# Altium PCB IMX6 DEV BOARD.PcbDoc (part 1 of 12) (continued)
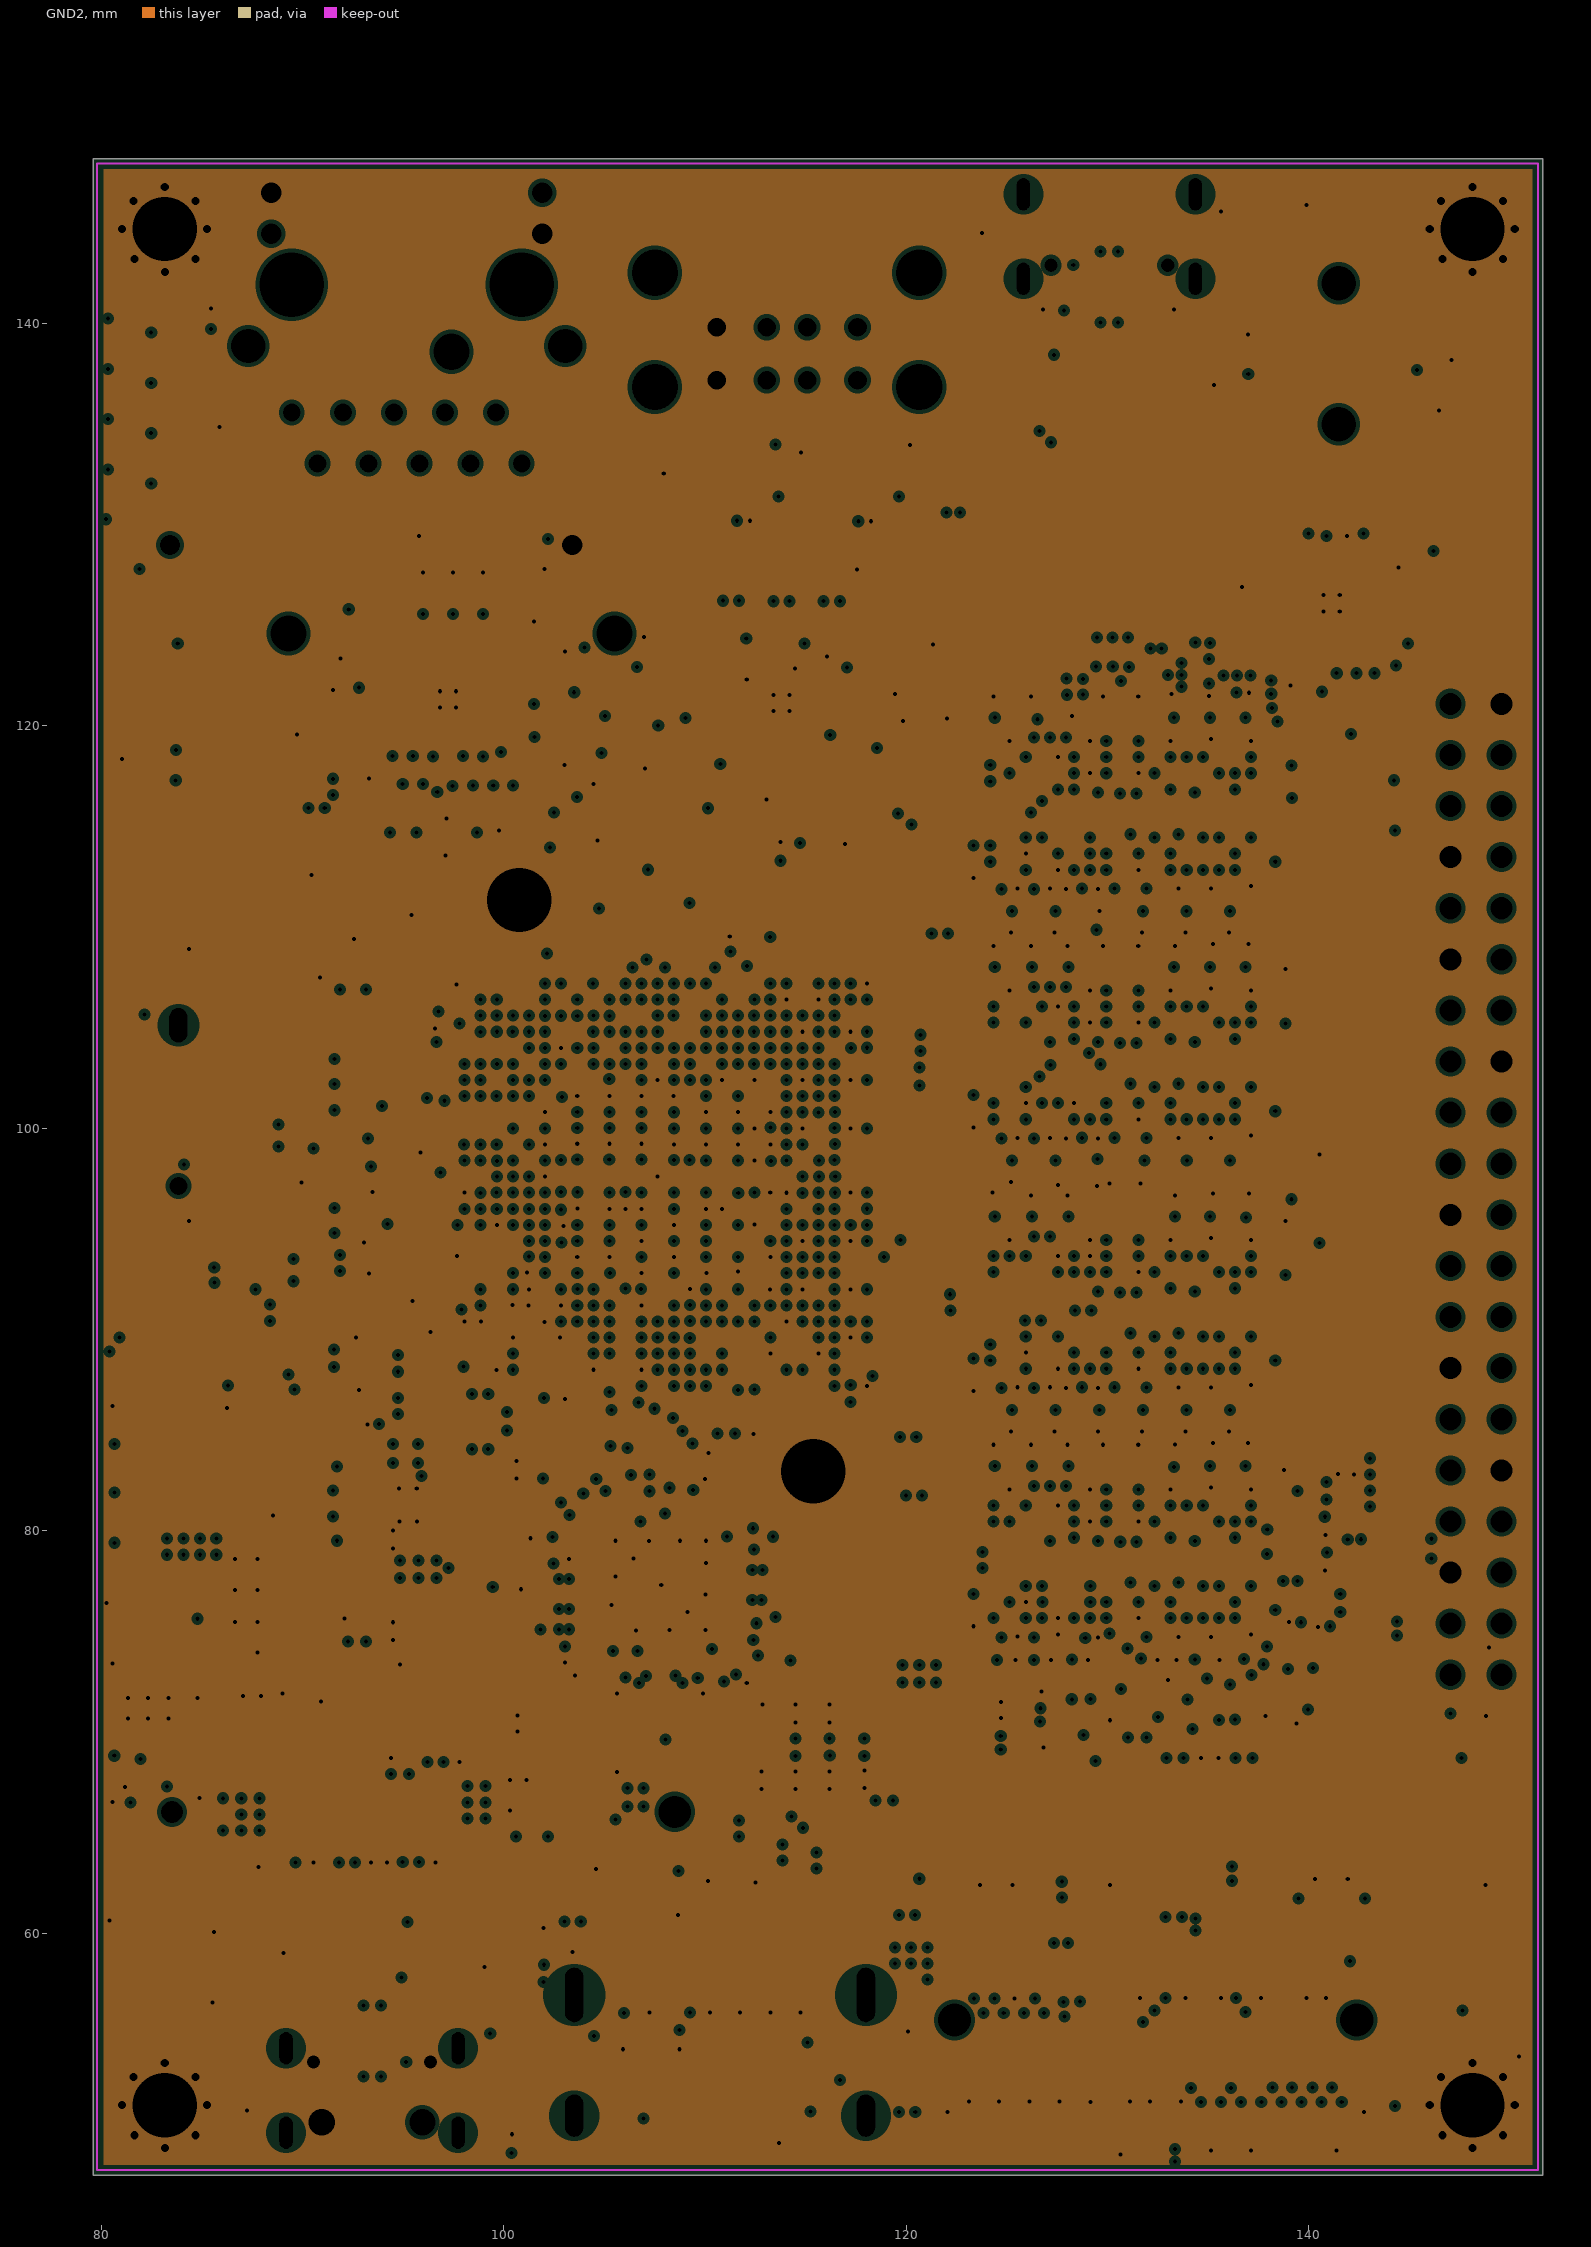
[diagram p7: GND2, clearances drawn from the general rule]

## Layer stack, top to bottom
Top Solder: solder mask 0.0102, Solder Resist, Dk 3.5
Top Layer: signal copper 0.018
Dielectric 2: prepreg 0.12, IS400, Dk 4.2
GND 1: plane copper 0.0175, net GND
Dielectric 6: core 0.2, IS400, Dk 4.2
Inner 2: signal copper 0.018
Dielectric 8: prepreg 0.12, IS400, Dk 4.2
Dielectric 4: prepreg 0.12, IS400, Dk 4.2
PWR 1: signal copper 0.018
Dielectric 1: core 0.2, IS400, Dk 3.9
PWR 2: signal copper 0.018
Dielectric 5: prepreg 0.12, IS400, Dk 4.2
Dielectric 9: prepreg 0.12, IS400, Dk 4.2
Inner 5: signal copper 0.018
Dielectric 7: core 0.2, IS400, Dk 4.2
GND2: plane copper 0.0175, net GND
Dielectric 3: prepreg 0.12, IS400, Dk 4.2
Bottom Layer: signal copper 0.018
Bottom Solder: solder mask 0.0102, Solder Resist, Dk 3.5

## Board outline
79.6,148.2 151.65,148.2 151.65,47.969 79.6,47.969

## Design rules (kind name [scope] priority, off if disabled: settings)
Clearance "High speed" [IsTrack and not(InDifferentialPairClass('DIFF100')) And not InDifferentialPairClass('DIFF90') and (Width <= 0.3) vs IsTrack and (Width <= 0.3)] p1: gap=0.15 ignorepadtopadclearanceinfootprint=FALSE except(0: Arc-Hole Track-Hole SMDPad-Hole THPad-Hole Via-Hole Fill-Hole Poly-Hole Region-Hole Text-Hole)
Clearance [All] p2: gap=0.1 ignorepadtopadclearanceinfootprint=FALSE except(0.15: Arc-Hole Track-Hole SMDPad-Hole THPad-Hole Via-Hole Fill-Hole Poly-Hole Region-Hole Text-Hole)
DiffPairsRouting DIFF100_imp [InDifferentialPairClass('DIFF100')] p1: maxlimit=0.2 minlimit=0.11 mostfreqgap=0.15 toplayer_maxgap=0.11 toplayer_prefgap=0.11 toplayer_minwidth=0.13 toplayer_maxwidth=0.13 toplayer_prefwidth=0.13 midlayer1_mingap=0.2 midlayer1_prefgap=0.2 midlayer1_minwidth=0.11 midlayer1_maxwidth=0.11 midlayer1_prefwidth=0.11 midlayer2_mingap=0.15 midlayer2_maxgap=0.15 midlayer2_minwidth=0.13 midlayer2_maxwidth=0.13 midlayer2_prefwidth=0.13 midlayer3_mingap=0.15 midlayer3_maxgap=0.15 midlayer3_minwidth=0.13 midlayer3_maxwidth=0.13 midlayer3_prefwidth=0.13 midlayer4_mingap=0.2 midlayer4_prefgap=0.2 midlayer4_minwidth=0.11 midlayer4_maxwidth=0.11 midlayer4_prefwidth=0.11 bottomlayer_maxgap=0.11 bottomlayer_prefgap=0.11 bottomlayer_minwidth=0.13 bottomlayer_maxwidth=0.13 bottomlayer_prefwidth=0.13 impedanceprofiledriven=TRUE impedanceprofileid={BF94E9E3-B38E-4308-BB9D-B7DF8960B4E6} impedanceprofilevalue=100.000000 maxuncoupledlength=12.7
DiffPairsRouting DIFF90_imp [InDifferentialPairClass('DIFF90')] p2: maxlimit=0.125 minlimit=0.11 mostfreqgap=0.125 toplayer_maxgap=0.11 toplayer_prefgap=0.11 toplayer_minwidth=0.145 toplayer_maxwidth=0.145 toplayer_prefwidth=0.145 midlayer1_mingap=0.125 midlayer1_minwidth=0.14 midlayer1_maxwidth=0.14 midlayer1_prefwidth=0.14 midlayer2_mingap=0.125 midlayer2_minwidth=0.14 midlayer2_maxwidth=0.14 midlayer2_prefwidth=0.14 midlayer3_mingap=0.125 midlayer3_minwidth=0.14 midlayer3_maxwidth=0.14 midlayer3_prefwidth=0.14 midlayer4_mingap=0.125 midlayer4_minwidth=0.14 midlayer4_maxwidth=0.14 midlayer4_prefwidth=0.14 bottomlayer_maxgap=0.11 bottomlayer_prefgap=0.11 bottomlayer_minwidth=0.145 bottomlayer_maxwidth=0.145 bottomlayer_prefwidth=0.145 impedanceprofiledriven=TRUE impedanceprofileid={1C92E7CA-59A1-473A-AE9D-2C4C3E981A97} impedanceprofilevalue=90.000000 maxuncoupledlength=13
Height [All] p1: minheight=0 maxheight=100 prefheight=12.7
HoleSize [All] p1: absolutevalues=TRUE maxlimit=12 minlimit=0.15 maxpercent=80.000 minpercent=20.000
MatchedLengths "RGMII TxD" [InNetClass('RGMII_TxD')] p1: tolerance=0.2 checknetsindiffpair=FALSE checkdiffpairvsdiffpair=TRUE checkxsignals=TRUE checkothers=TRUE
MatchedLengths CdE_SD3 [InNetClass('CdE_SD3')] p2: tolerance=0.254 checknetsindiffpair=FALSE checkdiffpairvsdiffpair=TRUE checkxsignals=TRUE checkothers=TRUE
MatchedLengths DIFF90 [InDifferentialPairClass('DIFF90')] p3: tolerance=0.2 checknetsindiffpair=TRUE checkdiffpairvsdiffpair=FALSE checkxsignals=FALSE checkothers=FALSE
MatchedLengths HDMI [InDifferentialPair('HDMI_CLK') And InDifferentialPair('HDMI_D0')And InDifferentialPair('HDMI_D1')And InDifferentialPair('HDMI_D2')] p4: tolerance=0.254 checknetsindiffpair=FALSE checkdiffpairvsdiffpair=TRUE checkxsignals=TRUE checkothers=TRUE
MatchedLengths PCIe [InDifferentialPair('PCIe_RX_C') And InDifferentialPair('PCIe_TX_C')] p5: tolerance=0.254 checknetsindiffpair=FALSE checkdiffpairvsdiffpair=TRUE checkxsignals=TRUE checkothers=TRUE
MatchedLengths SD2 [InNetClass('SD2')] p6: tolerance=0.254 checknetsindiffpair=FALSE checkdiffpairvsdiffpair=TRUE checkxsignals=TRUE checkothers=TRUE
MatchedLengths "RGMII RxD" [InNetClass('RGMII_RxD')] p7: tolerance=0.254 checknetsindiffpair=FALSE checkdiffpairvsdiffpair=TRUE checkxsignals=TRUE checkothers=TRUE
MatchedLengths "DRAM Bank 7" [InNetClass('DRAM_BANK7')] p8: tolerance=25.4 checknetsindiffpair=FALSE checkdiffpairvsdiffpair=TRUE checkxsignals=TRUE checkothers=TRUE
MatchedLengths "DRAM Bank 6" [InNetClass('DRAM_BANK6')] p9: tolerance=25.4 checknetsindiffpair=FALSE checkdiffpairvsdiffpair=TRUE checkxsignals=TRUE checkothers=TRUE
MatchedLengths "DRAM Bank 5" [InNetClass('DRAM_BANK5')] p10: tolerance=25.4 checknetsindiffpair=FALSE checkdiffpairvsdiffpair=TRUE checkxsignals=TRUE checkothers=TRUE
MatchedLengths "DRAM Bank 4" [InNetClass('DRAM_BANK4')] p11: tolerance=25.4 checknetsindiffpair=FALSE checkdiffpairvsdiffpair=TRUE checkxsignals=TRUE checkothers=TRUE
MatchedLengths "DRAM Bank 3" [InNetClass('DRAM_BANK3')] p12: tolerance=25.4 checknetsindiffpair=FALSE checkdiffpairvsdiffpair=TRUE checkxsignals=TRUE checkothers=TRUE
MatchedLengths "DRAM Bank 2" [InNetClass('DRAM_BANK2')] p13: tolerance=25.4 checknetsindiffpair=FALSE checkdiffpairvsdiffpair=TRUE checkxsignals=TRUE checkothers=TRUE
MatchedLengths "DRAM Bank 1" [InNetClass('DRAM_BANK1')] p14: tolerance=25.4 checknetsindiffpair=FALSE checkdiffpairvsdiffpair=TRUE checkxsignals=TRUE checkothers=TRUE
MatchedLengths DIFF100 [InNetClass('DIFF100')] p15: tolerance=0.254 checknetsindiffpair=TRUE checkdiffpairvsdiffpair=FALSE checkxsignals=FALSE checkothers=FALSE
MatchedLengths "DRAM ADDR CTRL" [InNetClass('DRAM_ADDR_CTRL')] p16: tolerance=0.254 checknetsindiffpair=FALSE checkdiffpairvsdiffpair=TRUE checkxsignals=TRUE checkothers=TRUE
MatchedLengths "DRAM Bank 0" [InNetClass('DRAM_BANK0')] p17: tolerance=0.254 checknetsindiffpair=FALSE checkdiffpairvsdiffpair=TRUE checkxsignals=TRUE checkothers=TRUE
MinimumAnnularRing [All] p1: minimumring=0.125
MinimumSolderMaskSliver [All] p1: minsoldermaskwidth=0.01
PlaneClearance "Global clearance" [All] p1: clearance=0.2
PlaneConnect GND [InNet('GND')] p1: planeconnectstyle=Direct reliefexpansion=0.508 reliefentries=4 reliefconductorwidth=0.254 reliefairgap=0.254
PolygonConnect "Global connect" [All] p1: connectstyle=Direct reliefconductorwidth=0.254 reliefentries=4 polygonreliefangle="90 Angle" airgapwidth=0.254
PolygonConnect DDR_CLK_termination [All vs IsNamedPolygon('DRAM_CLK0_CAP_L01_P020')] p2: connectstyle=Direct reliefconductorwidth=0.254 reliefentries=4 polygonreliefangle="90 Angle" airgapwidth=0.254
PolygonConnect +0.75V_VTT [InNet('+0V75_DDR_VTT')] p3: connectstyle=Direct reliefconductorwidth=0.254 reliefentries=4 polygonreliefangle="90 Angle" airgapwidth=0.254
RoutingVias [All] p1: holewidth=0.2 width=0.45 viastyle="Through Hole" minholewidth=0.1 minwidth=0.45 maxholewidth=6 maxwidth=6
SignalStimulus [All] p1: kind=2 level=0 starttime=10,00 stoptime=200,0 periodtime=20,00
SignalTopValue [All] p1: minimum=1,000
SilkToSilkClearance [All] p1: silktosilkclearance=0.01
SilkToSolderMaskClearance [IsPad] p1: minsilkscreentomaskgap=0.01 clearancetoexposedcopper=TRUE
SolderMaskExpansion [All] p1: expansion=0.08 istentingtop=FALSE
SupplyNets [InNet('+0V75_DDR_VTT')] p1: voltage=750,0
UnRoutedNet [All] p1: checkbadconnections=TRUE
Width I2S4_width [InNetClass('I2S4')] p1: maxlimit=0.125 minlimit=0.11 preferedwidth=0.125 toplayer_minwidth=0.125 midlayer1_maxwidth=0.11 midlayer1_prefwidth=0.11 midlayer2_minwidth=0.125 midlayer3_minwidth=0.125 midlayer4_maxwidth=0.11 midlayer4_prefwidth=0.11 bottomlayer_minwidth=0.125 impedanceprofiledriven=TRUE impedanceprofileid={523E02A2-B5A5-4C40-8CB7-62FE05C4EA57} impedanceprofilevalue=50.000000 minimp=50.000000 maximp=50.000000 favimp=50.000000
Width RGMII_width [InNetClass('RGMII_RxD') Or InNetClass('RGMII_TxD') Or InNetClass('RGMII_MISC')] p2: maxlimit=0.125 minlimit=0.11 preferedwidth=0.125 toplayer_minwidth=0.125 midlayer1_maxwidth=0.11 midlayer1_prefwidth=0.11 midlayer2_minwidth=0.125 midlayer3_minwidth=0.125 midlayer4_maxwidth=0.11 midlayer4_prefwidth=0.11 bottomlayer_minwidth=0.125 impedanceprofiledriven=TRUE impedanceprofileid={523E02A2-B5A5-4C40-8CB7-62FE05C4EA57} impedanceprofilevalue=50.000000 minimp=50.000000 maximp=50.000000 favimp=50.000000
Width SD2_width [InNetClass('SD2')] p3: maxlimit=0.125 minlimit=0.11 preferedwidth=0.125 toplayer_minwidth=0.125 midlayer1_maxwidth=0.11 midlayer1_prefwidth=0.11 midlayer2_minwidth=0.125 midlayer3_minwidth=0.125 midlayer4_maxwidth=0.11 midlayer4_prefwidth=0.11 bottomlayer_minwidth=0.125 impedanceprofiledriven=TRUE impedanceprofileid={523E02A2-B5A5-4C40-8CB7-62FE05C4EA57} impedanceprofilevalue=50.000000 minimp=50.000000 maximp=50.000000 favimp=50.000000
Width CdE_SD3_Width [InNetClass('CdE_SD3')] p4: maxlimit=0.125 minlimit=0.11 preferedwidth=0.125 toplayer_minwidth=0.125 midlayer1_maxwidth=0.11 midlayer1_prefwidth=0.11 midlayer2_minwidth=0.125 midlayer3_minwidth=0.125 midlayer4_maxwidth=0.11 midlayer4_prefwidth=0.11 bottomlayer_minwidth=0.125 impedanceprofiledriven=TRUE impedanceprofileid={523E02A2-B5A5-4C40-8CB7-62FE05C4EA57} impedanceprofilevalue=50.000000 minimp=50.000000 maximp=50.000000 favimp=50.000000
Width "DRAM stripline 50Ohm" [InNetClass('DRAM_ADDR_CTRL') Or InNetClass('DRAM_BANK0') Or InNetClass('DRAM_BANK1') Or InNetClass('DRAM_BANK2') Or InNetClass('DRAM_BANK3') Or InNetClass('DRAM_BANK4') Or InNetClass('DRAM_BANK5') Or InNetClass('DRAM_BANK6') Or InNetClass('DRAM_BANK7')] p5: maxlimit=0.125 minlimit=0.11 preferedwidth=0.125 toplayer_minwidth=0.125 midlayer1_maxwidth=0.11 midlayer1_prefwidth=0.11 midlayer2_minwidth=0.125 midlayer3_minwidth=0.125 midlayer4_maxwidth=0.11 midlayer4_prefwidth=0.11 bottomlayer_minwidth=0.125 impedanceprofiledriven=TRUE impedanceprofileid={523E02A2-B5A5-4C40-8CB7-62FE05C4EA57} impedanceprofilevalue=50.000000 minimp=50.000000 maximp=50.000000 favimp=50.000000
Width "Global Width" [All] p6: maxlimit=10 minlimit=0.11 preferedwidth=0.125
21 further rules are at their usual default settings.

## Classes and differential pairs
component class imx6_unused_pin: TB22 U1
component class cover_page: TB1
net class BOOT_SEL: BOOT_MODE0 BOOT_MODE1 TAMPER TEST_MODE
net class BOOT_CFG: BOOT_CFG1_0 BOOT_CFG1_1 BOOT_CFG1_2 BOOT_CFG1_3 BOOT_CFG1_4 BOOT_CFG1_5 BOOT_CFG1_6 BOOT_CFG1_7 BOOT_CFG2_0 BOOT_CFG2_1 BOOT_CFG2_2 BOOT_CFG2_3 BOOT_CFG2_4 BOOT_CFG2_5 BOOT_CFG2_6 BOOT_CFG2_7 BOOT_CFG3_0 BOOT_CFG3_1 BOOT_CFG3_2 BOOT_CFG3_3 BOOT_CFG3_4 BOOT_CFG3_5 BOOT_CFG3_6 BOOT_CFG3_7 BOOT_CFG4_0 BOOT_CFG4_1 BOOT_CFG4_2 BOOT_CFG4_3 BOOT_CFG4_4 BOOT_CFG4_5 BOOT_CFG4_6 BOOT_CFG4_7
net class JTAG: JTAG_MOD JTAG_nTRST JTAG_TCK JTAG_TDI JTAG_TDO JTAG_TMS
differential pair class DIFF100: CdE_CAN DRAM_CLK0 DRAM_CLK1 DRAM_DQS0 DRAM_DQS1 DRAM_DQS2 DRAM_DQS3 DRAM_DQS4 DRAM_DQS5 DRAM_DQS6 DRAM_DQS7 HDMI_CLK HDMI_D0 HDMI_D1 HDMI_D2 PCIe_REFCLK PCIe_REFCLK_C SATA_A SATA_A_C SATA_B SATA_B_C TD_A TD_B TD_C TD_D
net class "USR INTER": Button0 Button1 Button2 LED_USER_0 LED_USER_1 LED_USER_2 LED_USER_3 LED_USER_4
net class RGMII_TxD: RGMII_TD0 RGMII_TD1 RGMII_TD2 RGMII_TD3 RGMII_TX_CTL RGMII_TXC
net class RGMII_MISC: ENET_MDC ENET_MDIO ENET_REF_CLK LED0 LED1 LED2 RGMII_INT
net class CdE_UART4: CdE_UART_RxD CdE_UART_TxD
net class CdE_SPI1: CdE_SPI_CS0 CdE_SPI_CS1 CdE_SPI_MISO CdE_SPI_MOSI CdE_SPI_SCLK
net class CdE_I2C2: CdE_I2C_SCL CdE_I2C_SDA
net class CdE_GPIO: CdE_GPIO_1 CdE_GPIO_2 CdE_GPIO_3 CdE_GPIO_4 CdE_GPIO_5 CdE_GPIO_6 CdE_GPIO_7 CdE_GPIO_8 CdE_GPIO_9 CdE_GPIO_10 CdE_ONOFF
net class CdE_CAN2: CdE_CAN_N CdE_CAN_P
net class USB_DEBUG: USB_DEBUG_N USB_DEBUG_P
net class I2S4: AUD_CLK "AUDMUX4_ RxD" "AUDMUX4_ TXC" "AUDMUX4_ TxD" "AUDMUX4_ TXFS"
differential pair class DIFF90: CdE_USB_D PCIe_RX PCIe_RX_C PCIe_TX PCIe_TX_C PCIe_USB_D- USB_CdE USB_DEBUG USB_DEBUG_F USB_HOST_1 USB_HOST_1_FILT USB_HOST_2 USB_HOST_2_FILT USB_HOST_IMX6 USB_OTG_D USB_OTG_D_NF USB_PCIe
net class WDOG: WDOG1_RST WDOG2_RST
net class USB_OTG: USB_OTG_D_N USB_OTG_D_NF_N USB_OTG_D_NF_P USB_OTG_D_P USB_OTG_ID USB_OTG_VBUS
net class USB_HOST: PRT_1_EN PRT_2_EN USB_CdE_N USB_CdE_P USB_HOST_1_FILT_N USB_HOST_1_FILT_P USB_HOST_1_N USB_HOST_1_P USB_HOST_2_FILT_N USB_HOST_2_FILT_P USB_HOST_2_N USB_HOST_2_P USB_HOST_IMX6_N USB_HOST_IMX6_P USB_PCIe_N USB_PCIe_P
net class UIM: PCIe_UIM_CLK PCIe_UIM_DATA PCIe_UIM_PWR PCIe_UIM_RESET PCIe_UIM_VPP
net class UART1: UART1_RxD UART1_TxD
net class SPI4: SPI4_CLK SPI4_CS0 SPI4_MISO SPI4_MOSI
net class SD2: SD2_CD SD2_CLK SD2_CMD SD2_DAS SD2_DAT0 SD2_DAT1 SD2_DAT2 SD2_DAT3 SD2_WP
net class SATA: SATA_A_C_N SATA_A_C_P SATA_A_N SATA_A_P SATA_B_C_N SATA_B_C_P SATA_B_N SATA_B_P SATA_DEVSLP
net class RGMII_RxD: RGMII_RD0 RGMII_RD1 RGMII_RD2 RGMII_RD3 RGMII_RX_CTL RGMII_RXC
net class PMIC_CTRL: INTB ONOFF PMIC_ON_REQUEST PMIC_STBY_REQ POR_B SDWNB
net class mPCIe: PCIe_LED_WLAN# PCIe_LED_WPAN# PCIe_LED_WWAN# PCIe_PERST# PCIe_REFCLK_C_N PCIe_REFCLK_C_P PCIe_REFCLK_N PCIe_REFCLK_P PCIe_RX_C_N PCIe_RX_C_P PCIe_RX_N PCIe_RX_P PCIe_SMB_CLK PCIe_SMB_DATA PCIe_TX_C_N PCIe_TX_C_P PCIe_TX_N PCIe_TX_P PCIe_USB_D-_N PCIe_USB_D-_P PCIe_W_DISABLE# PCIe_WAKE#
net class I2C1: AUDIO_I2C_SCL AUDIO_I2C_SDA EEPROM_I2C_SCL EEPROM_I2C_SDA HDMI_I2C_SCL HDMI_I2C_SDA I2C1_SCL I2C1_SDA PCIe_SMB_CLK PCIe_SMB_DATA SATA_I2C_SCL SATA_I2C_SDA
net class HDMI: +5V_HDMI_FUSE HDMI_CEC HDMI_CEC_IN_BUFF HDMI_CLK_N HDMI_CLK_P HDMI_D0_N HDMI_D0_P HDMI_D1_N HDMI_D1_P HDMI_D2_N HDMI_D2_P HDMI_DDCCEC HDMI_HPD HDMI_HPD_BUFF HDMI_I2C_SCL_BUFF HDMI_I2C_SDA_BUFF HDMI_RESREF
net class GPIO: GPIO_10 GPIO_11 GPIO_14 GPIO_20 GPIO_21 GPIO_23 GPIO_24 GPIO_25 GPIO_26 GPIO_27 GPIO_28 GPIO_I2C0_SCL GPIO_I2C0_SDA GPIO_I2C1_SCL GPIO_I2C1_SDA GPIO_I2S_RxD GPIO_I2S_TXC GPIO_I2S_TxD GPIO_I2S_TXFS GPIO_PWM0 GPIO_PWM1 GPIO_SPI_CLK GPIO_SPI_CS0 GPIO_SPI_CS1 GPIO_SPI_MISO GPIO_SPI_MOSI GPIO_UART_RxD GPIO_UART_TxD
net class Ethernet: TD_A_N TD_A_P TD_B_N TD_B_P TD_C_N TD_C_P TD_D_N TD_D_P
net class CdE_SD3: CdE_SD_CLK CdE_SD_CMD CdE_SD_DATA0 CdE_SD_DATA1 CdE_SD_DATA2 CdE_SD_DATA3 CdE_SD_DATA4 CdE_SD_DATA5 CdE_SD_DATA6 CdE_SD_DATA7 CdE_SD_RST
component class uart_console: D21 D22 R143 R144 R145 R146 TB15 TP11 TP12 U12
component class sd_flash_eeprom: C199 C200 C201 D6 J3 Q1 R98 R99 R100 R101 R102 R103 R104 R105 R106 R107 TB8 U9 U10
component class power_regulator_pmic: BT1 C273 C274 C276 C277 C278 C279 C280 C281 C282 C283 C284 C285 C286 C287 C288 C289 C290 C291 C292 C293 C294 C295 C296 C297 C298 C299 C300 C301 C302 C303 C304 C305 C306 C307 C308 C309 C310 C311 C312 C313 C314 C315 D31 FB17 FB18 FB19 FB20 FB21 FB22 FB23 FB24 FB25 FB26 FB27 L8 L9 L10 L11 L12 R195 R196 R197 R198 R199 R200 R201 R202 R203 R204 R205 R206 R207 R217 TB21 TP13 TP14 TP15 TP16 TP17 TP18 TP19 TP20 TP21 TP22 TP23 TP24 TP25 U2
component class OVERVIEW: TB2
component class JTAG: J6 R122 R123 R124 R125 R126 TB11
component class imx6_ctrl_i2c1: C1 C2 C3 C4 C5 C6 C7 C8 C9 C10 C11 PB1 PB2 R1 R2 R3 R4 R5 R6 R7 R8 R9 R10 R11 R12 R13 R14 R15 R16 R17 R18 R19 R20 R21 R22 R23 R24 R25 R26 TB3 TP1 TP2 TP3 Y1 Y2
component class imx6_boot: R179 R180 R181 R182 R183 R184 R185 R186 R187 R188 R189 R190 R191 R192 R193 R194 R209 R210 R211 R212 R213 R214 R215 R216 RN1 RN2 RN3 RN4 RN5 RN6 RN7 RN8 SW1 SW2 SW3 TB20
component class audio_codec: C209 C210 C211 C212 C213 C214 C215 C216 C217 C218 D14 D15 D16 FB11 FB12 FB13 J7 R127 R128 R129 R130 R131 R132 TB12 TP7 TP8 TP9 U11
component class sata_m2: C232 C233 C234 C235 C236 C237 C238 C239 C240 D20 J10 R141 R142
component class user_interface: C263 C264 C265 C266 D26 D27 D28 D29 D30 PB3 PB4 PB5 R164 R165 R166 R167 R168 R169 R170 R171 R172 R173 R174
component class usb_host_otg: C241 C242 C243 C244 C245 C246 C247 C248 C249 C250 C251 C252 C253 C254 C255 C256 C257 C258 C259 C260 C261 C262 D23 D24 D25 FB14 FB15 FB16 J11 J12 L4 L5 L6 R147 R148 R149 R150 R151 R152 R153 R154 R155 R156 R157 R158 R159 R160 R161 R162 R163 U13 U14 U15 Y4
component class mini_pcie: c C219 C220 C221 C222 C223 C225 C226 C227 C228 C229 C230 C231 D17 D18 D19 J8 J9 L3 R133 R134 R135 R136 R137 R138 R139 R140
component class HDMI: C206 C207 C208 D7 D8 D9 D10 D11 D12 D13 F4 J5 Q2 Q3 Q4 Q5 R110 R111 R112 R113 R114 R115 R116 R117 R118 R119 R120 R121
component class GPIO: C202 C203 C204 C205 F2 F3 J4 R108 R109
component class extension_card: C267 C268 C269 C270 C271 C272 L7 R175 R176 R177 R178
component class Ethernet: C187 C188 C189 C190 C191 C192 C193 C194 C195 C196 C197 C198 D5 J2 R77 R78 R79 R80 R81 R82 R83 R84 R85 R86 R87 R88 R89 R90 R91 R92 R93 R94 R95 R96 R97 R208 U8 Y3
component class imx6_power: C12 C13 C14 C15 C16 C17 C18 C19 C20 C21 C22 C23 C24 C25 C26 C27 C28 C29 C30 C31 C32 C33 C34 C35 C36 C37 C38 C39 C40 C41 C42 C43 C44 C45 C46 C47 C48 C49 C50 C51 C52 C53 C54 C55 C56 C57 C58 C59 C60 C61 C62 C63 C64 C65 C66 C67 C68 C69 C70 C71 C72 C73 C74 C75 C76 C77 C78 C79 C80 C81 C82 C83 C84 C85 C86 C87 C88 C89 C90 C91 C92 C93 C94 C95 C96 C97 C98 C99 C100 C101 C102 C103 C104 D1
component class mechanical_marking: HT1 HT2 M1 M2 M3 M4 MT1 MT2 MT3 MT4
component class power_regulator_aux: C177 C178 C179 C180 C181 C182 C183 C184 C185 C186 D2 D3 D4 F1 FB1 FB2 FB3 FB4 FB5 FB6 FB7 FB8 FB9 FB10 J1 L1 L2 R67 R68 R69 R70 R71 R72 R73 R74 R75 R76 TP4 TP5 TP6 U7
net class DRAM_SDCLK: DRAM_CLK0_N DRAM_CLK0_P DRAM_CLK1_N DRAM_CLK1_P
net class DRAM_BANK7: DRAM_D56 DRAM_D57 DRAM_D58 DRAM_D59 DRAM_D60 DRAM_D61 DRAM_D62 DRAM_D63 DRAM_DQM7 DRAM_DQS7_N DRAM_DQS7_P
net class DRAM_BANK6: DRAM_D48 DRAM_D49 DRAM_D50 DRAM_D51 DRAM_D52 DRAM_D53 DRAM_D54 DRAM_D55 DRAM_DQM6 DRAM_DQS6_N DRAM_DQS6_P
net class DRAM_BANK5: DRAM_D40 DRAM_D41 DRAM_D42 DRAM_D43 DRAM_D44 DRAM_D45 DRAM_D46 DRAM_D47 DRAM_DQM5 DRAM_DQS5_N DRAM_DQS5_P
net class DRAM_BANK4: DRAM_D32 DRAM_D33 DRAM_D34 DRAM_D35 DRAM_D36 DRAM_D37 DRAM_D38 DRAM_D39 DRAM_DQM4 DRAM_DQS4_N DRAM_DQS4_P
net class DRAM_BANK3: DRAM_D24 DRAM_D25 DRAM_D26 DRAM_D27 DRAM_D28 DRAM_D29 DRAM_D30 DRAM_D31 DRAM_DQM3 DRAM_DQS3_N DRAM_DQS3_P
net class DRAM_BANK2: DRAM_D16 DRAM_D17 DRAM_D18 DRAM_D19 DRAM_D20 DRAM_D21 DRAM_D22 DRAM_D23 DRAM_DQM2 DRAM_DQS2_N DRAM_DQS2_P
net class DRAM_BANK1: DRAM_D8 DRAM_D9 DRAM_D10 DRAM_D11 DRAM_D12 DRAM_D13 DRAM_D14 DRAM_D15 DRAM_DQM1 DRAM_DQS1_N DRAM_DQS1_P
net class DRAM_BANK0: DRAM_D0 DRAM_D1 DRAM_D2 DRAM_D3 DRAM_D4 DRAM_D5 DRAM_D6 DRAM_D7 DRAM_DQM0 DRAM_DQS0_N DRAM_DQS0_P
net class DRAM_ADDR_CTRL: DRAM_A0 DRAM_A1 DRAM_A2 DRAM_A3 DRAM_A4 DRAM_A5 DRAM_A6 DRAM_A7 DRAM_A8 DRAM_A9 DRAM_A10 DRAM_A11 DRAM_A12 DRAM_A13 DRAM_A14 DRAM_A15 DRAM_CAS_B DRAM_CS0_B DRAM_RAS_B DRAM_RESET_B DRAM_SDBA0 DRAM_SDBA1 DRAM_SDBA2 DRAM_SDCKE0 DRAM_SDODT0 DRAM_WE_B
component class DRAM: C105 C106 C107 C108 C109 C110 C111 C112 C113 C114 C115 C116 C117 C118 C119 C120 C121 C122 C123 C124 C125 C126 C127 C128 C129 C130 C131 C132 C133 C134 C135 C136 C137 C138 C139 C140 C141 C142 C143 C144 C145 C146 C147 C148 C149 C150 C151 C152 C153 C154 C155 C156 C157 C158 C159 C160 C161 C162 C163 C164 C165 C166 C167 C168 C169 C170 C171 C172 C173 C174 C175 C176 R27 R28 R29 R30 R31 R32 R33 R34 R35 R36 R37 R38 R39 R40 R41 R42 R43 R44 R45 R46 R47 R48 R49 R50 R51 R52 R53 R54 R55 R56 R57 R58 R59 R60 R61 R62 R63 R64 R65 R66 U3 U4 U5 U6
differential pair CdE_CAN: +CdE_CAN_P -CdE_CAN_N
differential pair CdE_USB_D: +CdE_USB_D_P -CdE_USB_D_N
differential pair USB_DEBUG: +USB_DEBUG_P -USB_DEBUG_N
differential pair USB_DEBUG_F: +USB_DEBUG_F_P -USB_DEBUG_F_N
differential pair USB_PCIe: +USB_PCIe_P -USB_PCIe_N
differential pair USB_OTG_D: +USB_OTG_D_P -USB_OTG_D_N
differential pair USB_OTG_D_NF: +USB_OTG_D_NF_P -USB_OTG_D_NF_N
differential pair USB_HOST_IMX6: +USB_HOST_IMX6_P -USB_HOST_IMX6_N
differential pair USB_HOST_2: +USB_HOST_2_P -USB_HOST_2_N
differential pair USB_HOST_2_FILT: +USB_HOST_2_FILT_P -USB_HOST_2_FILT_N
differential pair USB_HOST_1: +USB_HOST_1_P -USB_HOST_1_N
differential pair USB_HOST_1_FILT: +USB_HOST_1_FILT_P -USB_HOST_1_FILT_N
differential pair USB_CdE: +USB_CdE_P -USB_CdE_N
differential pair TD_D: +TD_D_P -TD_D_N
differential pair TD_C: +TD_C_P -TD_C_N
differential pair TD_B: +TD_B_P -TD_B_N
differential pair TD_A: +TD_A_P -TD_A_N
differential pair SATA_B: +SATA_B_P -SATA_B_N
differential pair SATA_B_C: +SATA_B_C_P -SATA_B_C_N
differential pair SATA_A: +SATA_A_P -SATA_A_N
differential pair SATA_A_C: +SATA_A_C_P -SATA_A_C_N
differential pair PCIe_USB_D-: +PCIe_USB_D-_P -PCIe_USB_D-_N
differential pair PCIe_TX: +PCIe_TX_P -PCIe_TX_N
differential pair PCIe_TX_C: +PCIe_TX_C_P -PCIe_TX_C_N
differential pair PCIe_RX: +PCIe_RX_P -PCIe_RX_N
differential pair PCIe_RX_C: +PCIe_RX_C_P -PCIe_RX_C_N